# Altium PCB GameBoard_V1I1.PcbDoc (part 10 of 22)
Units mil, origin at the board's own origin, x right, y up, seen from the top; angles counter-clockwise.
Board outline 7165.35 x 2814.96 mil, 12 copper layers (L1, L2, L3, L4, L5 (PWR), L6 (PWR), L7 (PWR), L8 (PWR), L9, L10, L11, L12), stack 61.575 mil thick; 1551 components, 1072 nets, 5467 pads, 3785 vias.
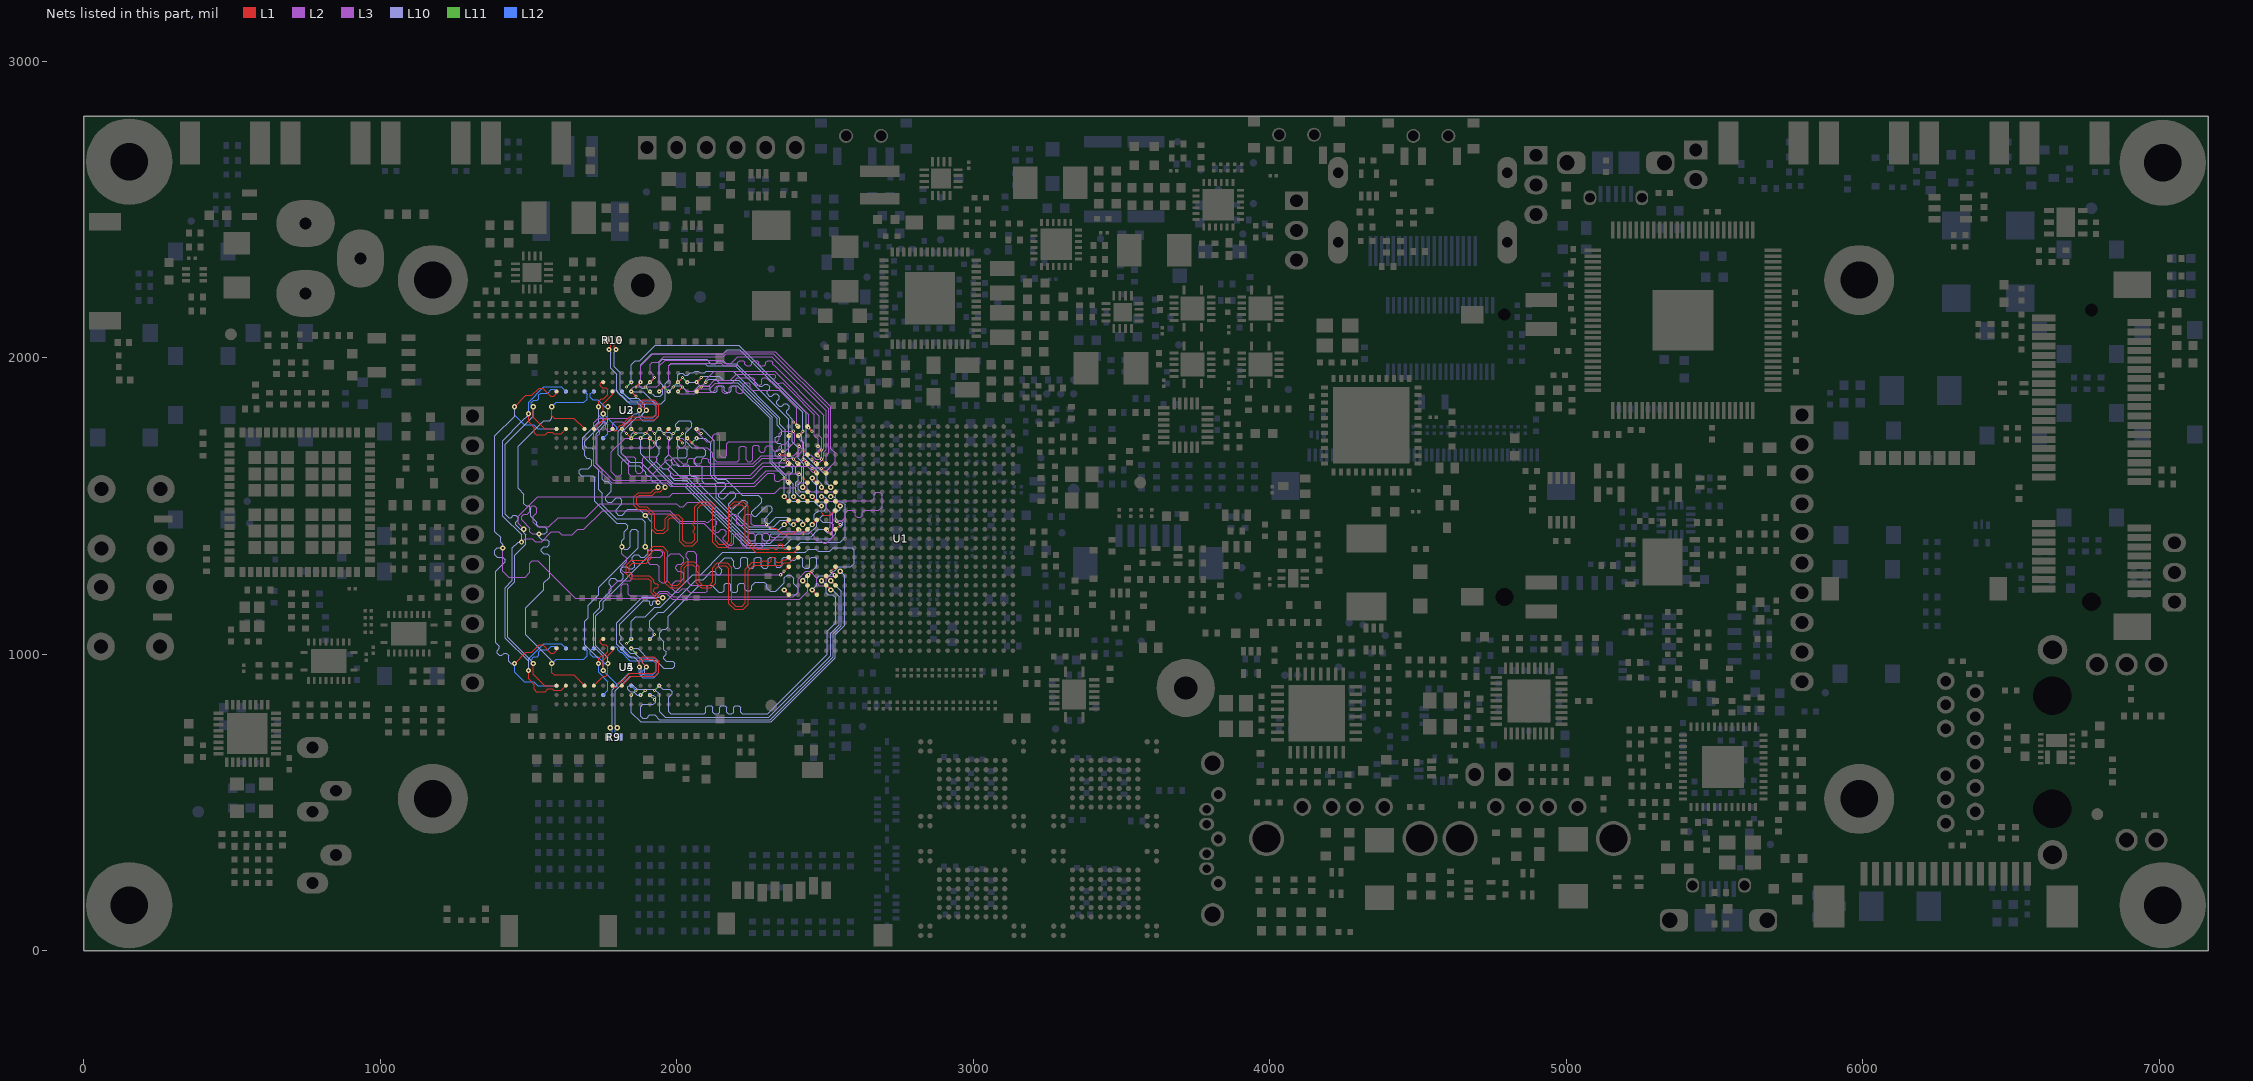
[diagram p20: the nets of this part, all layers, seen from the top]

## Via types
v1: diameter 17.72, hole 7.87, L1 to L12, 1935 vias
v2: diameter 17.72, hole 7.87, L1 to L12, tented both sides, 995 vias
v3: diameter 10.63, hole 3.94, L1 to L2, 334 vias
v4: diameter 11.81, hole 3.94, L2 to L3, 334 vias
v5: diameter 10.63, hole 3.94, L11 to L12, 94 vias
v6: diameter 11.81, hole 3.94, L10 to L11, 93 vias

## Nets (pads, with @x,y where several pads share a name; then routed paths per layer and width w, separated by ;. In a path a pad name is that pad's centre, name@x,y a point inside that pad or via, vN(x,y) a via of type N, cw(c..) or ccw(c..) an arc to the next point about the centre after c; other vN are vias at no path point) (continued)
DRAM_A11: U1.AC12 U2.R7 U3.R7 U4.R7 U5.R7 | length 3112.9
  L1 w3.15: v2@1500.07,944.88 1500.07,917.32 1519.75,897.64 1519.75,880.9 1526.64,874.02 1556.17,874.02 1565.03,882.87 1579.79,882.87 1584.71,877.95 1610.3,877.95 U4.R7@1626.05,893.7 ; v2@1500.07,1811.02 1500.07,1783.46 1519.75,1763.78 1519.75,1747.05 1526.64,1740.16 1556.17,1740.16 1565.03,1749.02 1579.79,1749.02 1584.71,1744.09 1610.3,1744.09 U2.R7@1626.05,1759.84 ; v3(2425.2,1405.51) U1.AC12@2440.94,1421.26
  L3 w3.15: v2(1476.38,1377.95) 1488.19,1389.76 1512.49,1389.76 1523.31,1378.94 1543.88,1378.94 1577.34,1412.4 1602.15,1412.4 1612,1402.56 1647.85,1402.56 1666.55,1421.26 1686.55,1421.26 1749.82,1484.53 1976.1,1484.53 2011.81,1448.82 2094.49,1448.82 2098.66,1444.64 2107.02,1444.64 2117.4,1455.02 2125.75,1455.02 2134.1,1446.67 2134.1,1438.32 2123.72,1427.94 2123.72,1419.59 2132.07,1411.24 2140.42,1411.24 2150.8,1421.62 2159.15,1421.62 2167.51,1413.26 2167.51,1404.91 2157.13,1394.53 2157.13,1386.18 2176.18,1367.13 2186.02,1367.13 2192.91,1374.02 2192.91,1398.23 2200.79,1406.1 2211.34,1406.1 2217.25,1400.2 2217.25,1372.05 2223.15,1366.14 2234.96,1366.14 2240.87,1372.05 2240.87,1401.57 2246.77,1407.48 2258.59,1407.48 2264.49,1401.57 2264.49,1372.7 2270.4,1366.79 2282.21,1366.79 2288.11,1372.7 2288.11,1401.57 2294.02,1407.48 2305.83,1407.48 2319.61,1393.7 2337.6,1393.7 2358.27,1414.37 2409.45,1414.37 v4(2414.37,1419.29)
  L10 w3.15: v2(1476.38,1377.95) 1464.57,1377.95 1445.43,1358.82 1445.43,1248.58 1421.26,1224.41 1421.26,1054.44 1500,975.7 v2(1500,944.88) ; v2@1476.44,1377.95 1476.44,1402.7 1413.39,1465.76 1413.39,1720.47 1477.88,1784.97 1477.95,1784.97 1500.29,1807.31 v2@1500.29,1810.8 ; v2@1500,1810.96 v2@1500.06,1811.02
  L2 w3.15: v4(2414.37,1419.29) 2414.37,1418.31 2413.39,1417.32 v3(2425.2,1405.51)
  L12 w3.15: v2@1500.07,944.88 1500.07,984.25 1551.25,1035.43 1610.3,1035.43 U5.R7@1626.05,1019.68 ; v2@1500.07,1811.02 1500.07,1850.39 1551.25,1901.57 1610.3,1901.57 U3.R7@1626.05,1885.83
  other v2: 1500,1811.02
DRAM_A12: U1.AD12 U2.N7 U3.N7 U4.N7 U5.N7 | length 3081.8
  L1 w3.15: v2(1578.74,968.5) 1578.81,937.99 1586.68,930.12 1652.62,930.12 U4.N7@1689.04,893.7 ; v2(1578.74,1834.65) 1578.81,1804.13 1586.68,1796.26 1652.62,1796.26 U2.N7@1689.04,1759.84 ; v3(2314.96,1425.2) 2334.65,1425.2 2354.33,1405.51 2393.7,1405.51 U1.AD12@2409.45,1421.26
  L3 w3.15: v2(1535.43,1405.51) 1511.81,1405.51 1503.94,1413.39 1503.94,1425.2 1476.38,1452.76 1476.38,1464.57 1484.25,1472.44 1496.06,1472.44 1503.94,1480.31 1503.94,1492.13 1511.81,1500 1519.68,1500 1527.56,1492.13 1527.56,1476.38 1515.75,1464.57 1515.75,1444.88 1531.5,1429.13 1568.8,1429.13 1600.29,1460.63 1692.51,1460.63 1740.03,1508.15 1998.53,1508.15 2009.63,1497.05 2021.86,1497.05 2036.63,1511.81 2103.82,1511.81 2157.48,1458.15 2171.62,1458.15 2185.04,1471.56 2196.85,1471.56 2202.76,1465.66 2202.76,1439.96 2208.66,1434.06 2222.44,1434.06 2228.35,1439.96 2228.35,1465.66 2234.25,1471.56 2246.06,1471.56 2251.97,1465.66 2251.97,1439.96 2257.87,1434.06 2300.2,1434.06 v4(2303.15,1437.01)
  L10 w3.15: v2(1535.43,1405.51) 1535.43,1394.69 1544.29,1385.83 1562.99,1385.83 1569.76,1379.06 1569.76,1368.98 1562.99,1362.2 1551.18,1362.2 1543.31,1354.33 1543.31,1346.46 1551.18,1338.58 1562.99,1338.58 1570.87,1330.71 1570.87,1259.84 1551.18,1240.16 1551.18,1216.54 1490.47,1155.83 1490.47,1066 1578.74,977.73 v2(1578.74,968.5) ; v2(1535.43,1405.51) 1555.18,1405.51 1563.06,1413.39 1563.06,1421.26 1555.18,1429.13 1535.5,1429.13 1527.62,1437.01 1527.62,1444.82 1507.94,1464.5 1507.94,1492.13 1500.07,1500 1492.19,1500 1484.32,1507.87 1484.32,1539.37 1464.57,1559.12 1464.57,1700.79 1551.18,1787.4 1570.87,1787.4 1578.8,1795.34 v2(1578.74,1834.65)
  L2 w3.15: v4(2303.15,1437.01) v3(2314.96,1425.2)
  L12 w3.15: v2(1578.74,968.5) 1593.57,983.27 1687.07,983.27 1697.9,994.09 1697.9,1010.83 U5.N7@1689.04,1019.68 ; v2(1578.74,1834.65) 1593.57,1849.41 1687.07,1849.41 1697.9,1860.24 1697.9,1876.97 U3.N7@1689.04,1885.83
DRAM_A13: U1.AC17 U2.T3 U3.T3 U4.T3 U5.T3 | length 3119.9
  L1 w3.15: v2@1452.82,968.5 1491.21,1006.89 1510.89,1006.89 1535.5,1031.5 1547.31,1031.5 1574.87,1003.94 1584.71,1003.94 1594.55,1013.78 U4.T3@1594.55,1019.68 ; v2@1452.82,1834.65 1491.21,1873.03 1510.89,1873.03 1535.5,1897.64 1547.31,1897.64 1574.87,1870.08 1584.71,1870.08 1594.55,1879.92 U2.T3@1594.55,1885.83 ; U1.AC17@2440.94,1263.78 v3(2456.69,1279.53)
  L3 w3.15: v2(1413.39,1358.27) 1413.39,1279.53 1433.07,1259.84 1488.19,1259.84 1503.94,1275.59 1503.94,1307.09 1511.81,1314.96 1530.82,1314.96 1656.8,1188.98 1930.89,1188.98 1946.64,1204.72 1964.57,1204.72 1984.25,1185.04 2414.58,1185.04 2441.93,1212.39 2441.93,1264.76 v4(2444.88,1267.72)
  L10 w3.15: v2(1413.39,1358.27) 1393.7,1358.27 1385.83,1350.39 1385.83,1334.65 1393.7,1326.77 1413.39,1326.77 1421.26,1318.9 1421.26,1311.02 1413.39,1303.15 1389.76,1279.53 1389.76,1039.37 1401.57,1027.56 1401.57,1019.68 1393.7,1011.81 1393.7,1003.94 1401.57,996.06 1409.45,996.06 1417.32,1003.94 1425.2,1003.94 1433.07,996.06 1433.07,976.44 1441.01,968.5 v2(1452.76,968.5) ; v2@1413.45,1358.27 1413.45,1370.01 1405.51,1377.95 1405.51,1393.7 1385.89,1413.32 1385.89,1736.29 1452.76,1803.15 v2(1452.76,1834.65)
  L2 w3.15: v4(2444.88,1267.72) v3(2456.69,1279.53)
  L12 w3.15: v2@1452.82,968.5 1452.82,939.75 1485.09,907.48 1517.78,907.48 1531.56,893.7 U5.T3@1594.55,893.7 ; v2@1452.82,1834.65 1452.82,1805.89 1485.09,1773.62 1517.78,1773.62 1531.56,1759.84 U3.T3@1594.55,1759.84
DRAM_A14: U1.AA12 U2.T7 U3.T7 U4.T7 U5.T7 | length 2944
  L1 w3.15: v2(1515.75,968.5) 1515.81,933.07 1555.18,893.7 U4.T7@1594.55,893.7 ; v2(1515.75,1834.65) 1515.81,1799.21 1555.18,1759.84 U2.T7@1594.55,1759.84 ; U1.AA12@2503.94,1421.26 v3(2519.69,1405.51)
  L3 w3.15: v2(1484.25,1421.26) 1464.57,1440.94 1464.57,1465.44 1530.9,1531.77 1974.32,1531.77 1985.86,1543.31 2330.87,1543.31 2349.57,1562.01 2397.95,1562.01 2413.69,1577.76 2434.05,1577.76 2440.94,1570.87 2440.94,1557.86 2451.56,1547.24 2527.56,1547.24 2535.43,1539.37 2535.43,1523.62 2527.56,1515.75 2511.81,1515.75 2503.94,1507.87 2503.94,1492.13 2517.72,1478.35 2517.72,1429.13 2507.87,1419.29 v4(2507.87,1417.32)
  L10 w3.15: v2(1515.75,968.5) 1515.75,971.09 1429.13,1057.7 1429.13,1220.47 1453.31,1244.65 1453.31,1333.26 1491.14,1371.09 1491.14,1402.56 1484.25,1409.45 v2(1484.25,1421.26) 1472.44,1421.26 1456.69,1437.01 1456.69,1444.82 1464.63,1452.76 1464.63,1460.63 1456.76,1468.5 1448.89,1468.5 1441.01,1460.63 1433.07,1460.63 1421.33,1472.38 1421.33,1708.73 1515.81,1803.21 v2(1515.75,1834.65)
  L2 w3.15: v4(2507.87,1417.32) v3(2519.69,1405.51)
  L12 w3.15: v2(1515.75,968.5) 1508.92,975.39 1508.92,981.97 1518.09,991.14 1530.27,991.14 1535.34,996.21 1535.34,1008.39 1541.71,1014.76 1564.04,1014.76 1576.84,1027.56 1586.68,1027.56 U5.T7@1594.55,1019.69 ; v2(1515.75,1834.65) 1508.92,1841.54 1508.92,1848.12 1518.09,1857.28 1530.27,1857.28 1535.34,1862.35 1535.34,1874.53 1541.71,1880.91 1564.04,1880.91 1576.84,1893.7 1586.68,1893.7 U3.T7@1594.55,1885.83
DRAM_A15: U1.Y12 U2.M7 U3.M7 U4.M7 U5.M7 | length 2937.1
  L1 w3.15: U4.M7@1720.54,893.7 1752.03,925.2 1759.91,925.2 1767.78,933.07 v2@1767.78,968.5 ; U2.M7@1720.54,1759.84 1752.03,1791.34 1759.91,1791.34 1767.78,1799.21 v2@1767.78,1834.65 ; U1.Y12@2535.43,1421.26 v3(2551.18,1437.01)
  L3 w3.15: v2(1893.7,1468.02) 1899.1,1473.43 1976.07,1473.43 2008.55,1440.94 2090.55,1440.94 2173.23,1358.27 2284.82,1358.27 2285.47,1358.92 2312.38,1385.83 2355.01,1385.83 2375.28,1406.1 2418.03,1406.1 2425.32,1413.39 2448.42,1413.39 2464.57,1397.24 2464.57,1389.76 2471.46,1382.87 2486.25,1382.87 2495.11,1374.02 2504.89,1374.02 2525.59,1394.71 2525.59,1475.85 2536.42,1486.67 2536.42,1506.12 2547.03,1516.73 2658.47,1516.73 2665.35,1523.62 2665.35,1539.37 2672.24,1546.26 2685.65,1546.26 2692.91,1539.81 2692.91,1496.06 2682.09,1485.24 2631.89,1485.24 2625.98,1479.33 2625.98,1467.52 2620.08,1461.61 2608.27,1461.61 2602.36,1467.52 2602.36,1479.33 2596.46,1485.24 2578.53,1485.24 2567.91,1474.62 2567.91,1460.63 2558.07,1450.79 2541.34,1450.79 v4(2539.37,1448.82)
  L10 w3.15: v2(1767.72,968.5) 1767.72,988.12 1727.36,1028.48 1727.36,1129.8 1751.54,1153.98 1751.54,1176.61 1916.2,1341.27 1916.2,1445.52 v2(1893.7,1468.02) ; v2@1767.78,1834.65 1767.78,1783.56 1728.35,1744.13 1728.35,1641.8 1748.1,1622.05 1748.1,1590.55 1755.97,1582.68 1767.78,1582.68 1779.53,1570.93 1779.53,1550.31 1759.91,1530.69 1759.91,1519.68 1767.78,1511.81 1780.4,1511.81 1796.14,1527.56 1807.15,1527.56 1815.03,1519.68 1815.03,1507.07 1795.34,1487.39 1795.34,1476.38 1803.22,1468.5 1815.83,1468.5 1835.51,1488.19 1873.6,1488.19 v2@1893.77,1468.02
  L2 w3.15: v4(2539.37,1448.82) v3(2551.18,1437.01)
  L12 w3.15: U5.M7@1720.54,1019.68 1716.6,1019.68 1708.73,1011.81 1708.73,1000 1716.6,992.13 1733.54,992.13 1757.17,968.5 v2@1767.78,968.5 ; U3.M7@1720.54,1885.83 1716.6,1885.83 1708.73,1877.95 1708.73,1866.14 1716.6,1858.27 1733.54,1858.27 1757.17,1834.65 v2@1767.78,1834.65
  other v2: 1767.72,1834.65
DRAM_CAS_B: U1.AE16 U2.K3 U3.K3 U4.K3 U5.K3 | length 2916.5
  L1 w3.15: v2@1752.03,944.88 1752.03,979.33 1783.53,1010.83 U4.K3@1783.53,1019.68 ; v2@1752.03,1811.02 1752.03,1845.47 1783.53,1876.97 U2.K3@1783.53,1885.83 ; v3(2362.21,1279.53) U1.AE16@2377.95,1295.28
  L3 w3.15: v2(1893.7,1362.2) 1905.51,1350.39 1944.88,1350.39 1952.76,1342.52 1952.76,1334.65 1944.88,1326.77 1909.45,1326.77 1901.57,1318.9 1901.57,1311.02 1909.45,1303.15 1933.07,1303.15 1940.94,1295.28 1940.94,1248.03 1948.82,1240.16 1960.63,1240.16 1968.5,1248.03 1968.5,1326.77 1980.31,1338.58 2007.87,1338.58 2023.62,1322.83 2023.62,1311.02 2015.75,1303.15 2003.94,1303.15 1996.06,1295.28 1996.06,1287.4 2003.94,1279.53 2015.75,1279.53 2023.62,1271.65 2023.62,1255.91 2015.75,1248.03 1996.06,1248.03 1984.25,1236.22 1984.25,1220.47 1996.06,1208.66 2006.81,1208.66 2018.62,1220.47 2031.5,1220.47 2043.31,1208.66 2098.43,1208.66 2102.84,1213.07 2102.84,1227.87 2098.43,1232.28 2047.24,1232.28 2039.37,1240.16 2039.37,1318.9 2031.5,1326.77 2031.5,1338.58 2039.37,1346.46 2056.47,1346.46 2066.93,1336 2066.93,1280.2 2079.42,1267.72 2232.28,1267.72 v4(2350.39,1267.72)
  L10 w3.15: v2(1751.97,944.88) 1751.97,992.74 1719.49,1025.22 1719.49,1136.81 1739.57,1156.89 1739.57,1176.38 1779.63,1216.44 1779.63,1228.25 1771.65,1236.22 1771.65,1248.03 1779.53,1255.91 1791.34,1255.91 1799.21,1248.03 1811.22,1248.03 1819,1255.81 1819,1267.62 1811.02,1275.59 1811.02,1287.4 1818.9,1295.28 1830.71,1295.28 1838.58,1287.4 1850.59,1287.4 1858.37,1295.18 1858.37,1306.99 1850.39,1314.96 1850.39,1326.77 1858.27,1334.65 1870.08,1334.65 1877.95,1326.77 1889.96,1326.77 1889.96,1326.97 1901.58,1338.58 1901.58,1354.33 v2(1893.7,1362.2) ; v2@1752.03,1811.02 1752.03,1780.79 1689.96,1718.71 1689.96,1703.74 1696.85,1696.85 1696.92,1696.85 1712.66,1696.85 1720.47,1689.04 1720.47,1637.8 1736.29,1621.98 1736.29,1555.18 1748.1,1543.37 1748.1,1503.87 1795.28,1456.69 1881.89,1456.69 1893.77,1444.82 v2@1893.77,1362.2
  L2 w3.15: v4(2350.39,1267.72) v3(2362.21,1279.53)
  L12 w3.15: v2@1752.03,944.36 1797.31,899.09 1797.31,891.73 1794.36,888.78 1788.45,888.78 U5.K3@1783.53,893.7 ; v2@1752.03,1810.51 1797.31,1765.23 1797.31,1757.87 1794.36,1754.92 1788.45,1754.92 U3.K3@1783.53,1759.84
  other v2: 1751.97,1811.02
DRAM_CLK0_N: R9.1 U1.AE15 U4.K7 U5.K7 | length 2637.2
  L1 w3.35: U4.K7@1783.53,893.7 1789.44,887.8 1796.33,887.8 1801.18,892.65 1801.18,897.92 1809.76,906.5 1813.76,906.5 1842.21,934.94 1921.23,934.94 1930.12,943.83 1930.12,971.25 1919.08,982.28 1889.9,982.28 1883.92,976.3 1883.92,970.4 v2(1897.64,956.69) v2(1897.64,956.69) ; v2(1937.01,1174.21) 1934.85,1176.37 1934.85,1185.15 1913.29,1206.72 1913.29,1245.23 1903.59,1254.92 1846.28,1254.92 1829.5,1271.69 1829.5,1300.03 1846.5,1317.03 1893.52,1317.03 1904.53,1328.04 1904.53,1346.19 1921.53,1363.19 1952.49,1363.19 1969.49,1346.19 1969.49,1344.16 1969.59,1344.06 1969.59,1332.31 1969.49,1332.21 1969.49,1245.18 1981.4,1233.27 2003.53,1233.27 2014.76,1244.5 2014.76,1295.01 2031.76,1312.01 2058.79,1312.01 2075.84,1294.96 2075.84,1244.18 2086.75,1233.27 2110.5,1233.27 2121.06,1243.83 2121.06,1291.75 2137.39,1308.07 2169.7,1308.07 2186.02,1291.75 2186.02,1174.87 2198.9,1162 2220.11,1162 2231.35,1173.24 2231.35,1286.19 2255.2,1310.04 2285.98,1310.04 2291.79,1315.85 2301.63,1315.85 2307.44,1310.04 2313.98,1310.04 2317.91,1313.98 2317.91,1323.82 2321.85,1327.76 2329.72,1327.76 2333.66,1323.82 2333.66,1313.98 2337.6,1310.04 2349.85,1310.04 2358.7,1318.9 2370.11,1318.9 U1.AE15@2377.95,1326.77
  L10 w3.35: v2(1799.21,751.97) 1799.21,754.81 1793.21,760.82 1793.21,875.82 1842.39,925 1878.37,925 1891.34,937.96 1891.34,950.39 v2(1897.64,956.69) 1885.04,969.29 1885.04,977.01 1858.9,1003.15 1843.15,1003.15 1808.27,1038.03 1808.27,1045.47 1812.99,1050.2 1812.99,1059.06 1808.27,1063.78 1808.27,1101.31 1887.47,1180.51 1905.51,1180.51 1908.46,1177.56 1908.46,1168.31 1911.42,1165.35 1916.34,1165.35 1919.29,1168.31 1919.29,1177.56 1922.24,1180.51 1927.86,1180.51 1934.16,1174.21 v2(1937.01,1174.21)
  L12 w3.35: U5.K7@1783.53,1019.68 1789.44,1025.59 1796.33,1025.59 1801.18,1020.73 1801.18,1015.46 1809.76,1006.89 1813.76,1006.89 1842.21,978.44 1921.23,978.44 1930.12,969.56 1930.12,942.14 1919.08,931.1 1889.9,931.1 1883.92,937.08 1883.92,942.98 v2(1897.64,956.69) v2(1897.64,956.69) ; v2(1799.21,751.97) 1799.21,751.65 1792.48,744.92 1792.48,735.08 R9.1@1807.09,720.47
DRAM_CLK0_P: R9.2 U1.AD15 U4.J7 U5.J7 | length 2636.8
  L1 w3.35: U4.J7@1815.03,893.7 1815.03,893.84 1846.28,925.1 1925.58,925.1 1939.96,939.47 1939.96,975.32 1923.16,992.13 1885.83,992.13 1873.88,980.18 1873.88,956.89 v2@1874.08,956.69 ; v2(1952.76,1189.96) 1950.6,1192.11 1941.81,1192.11 1923.13,1210.8 1923.13,1219.49 1927.07,1223.43 1933.96,1223.43 1937.89,1227.36 1937.89,1234.25 1933.96,1238.19 1927.07,1238.19 1923.13,1242.13 1923.13,1249.3 1907.57,1264.86 1893.88,1264.86 1893.78,1264.76 1850.35,1264.76 1839.35,1275.77 1839.35,1295.95 1850.58,1307.18 1897.6,1307.18 1914.37,1323.96 1914.37,1342.11 1925.6,1353.35 1948.41,1353.35 1959.65,1342.11 1959.65,1241.1 1977.32,1223.43 2007.61,1223.43 2024.61,1240.43 2024.61,1290.93 2035.84,1302.17 2054.71,1302.17 2065.99,1290.88 2065.99,1240.1 2082.67,1223.43 2114.58,1223.43 2130.91,1239.75 2130.91,1287.67 2141.46,1298.23 2165.62,1298.23 2176.18,1287.67 2176.18,1170.8 2194.82,1152.16 2224.19,1152.16 2241.19,1169.16 2241.19,1282.11 2259.28,1300.2 2354.2,1300.2 2362.86,1308.86 2381.15,1308.86 2396.72,1324.44 2407.11,1324.44 U1.AD15@2409.45,1326.77
  L10 w3.35: v2(1775.59,751.97) 1775.59,754.81 1782.18,761.41 1782.18,880.38 1837.83,936.02 1873.81,936.02 1880.31,942.53 1880.31,950.39 v2(1874.01,956.69) 1874.01,972.44 1854.33,992.13 1838.58,992.13 1797.24,1033.46 1797.24,1105.88 1882.9,1191.54 1951.18,1191.54 v2(1952.76,1189.96)
  L12 w3.35: R9.2@1767.72,720.47 1781.66,734.41 1781.66,745.9 v2(1775.59,751.97) ; U5.J7@1815.03,1019.68 1815.03,1019.55 1846.28,988.29 1925.58,988.29 1939.96,973.91 1939.96,938.06 1923.16,921.26 1885.83,921.26 1873.88,933.2 1873.88,956.5 v2@1874.08,956.69
DRAM_CLK1_N: R10.1 U1.AE14 U2.K7 U3.K7 | length 2636.1
  L1 w3.35: U2.K7@1783.53,1759.84 1789.44,1753.94 1796.33,1753.94 1801.18,1758.79 1801.18,1764.06 1809.76,1772.64 1813.76,1772.64 1842.21,1801.08 1921.23,1801.08 1930.12,1809.97 1930.12,1837.39 1919.08,1848.43 1889.9,1848.43 1883.92,1842.45 1883.92,1836.55 v2(1897.64,1822.83) v2(1897.64,1822.83) ; v2(1795.28,2027.56) 1795.28,2027.88 1788.55,2034.61 1788.55,2044.45 R10.1@1803.15,2059.06 ; v2(1960.63,1562.99) 1944.88,1547.24 1928.86,1547.24 1917.04,1535.43 1873.79,1535.43 1865.16,1526.8 1865.16,1505.91 1873.03,1498.03 1899.61,1498.03 1925.2,1472.44 1925.2,1425.2 1933.07,1417.32 1952.76,1417.32 1961.61,1426.18 1961.61,1457.4 1974.69,1470.47 2004.36,1470.47 2019.69,1455.14 2019.69,1384.98 2029.67,1375 2050.06,1375 2061.36,1386.31 2061.36,1404.19 2055.12,1410.43 2055.12,1415.66 2061.27,1421.81 2061.27,1428.89 2055.12,1435.04 2055.12,1440.94 2061.36,1447.19 2061.36,1496.58 2078.56,1513.78 2114.17,1513.78 2130.81,1497.15 2130.81,1381.99 2141.73,1371.06 2165.35,1371.06 2176.18,1381.89 2176.18,1496.47 2193.76,1514.05 2223.57,1514.05 2241.14,1496.47 2241.14,1383.01 2269.82,1354.33 2310.04,1354.33 2315.94,1360.24 2323.82,1360.24 2329.72,1354.33 2338.58,1354.33 2342.52,1358.27 2342.52,1368.11 2346.46,1372.05 2354.33,1372.05 2358.27,1368.11 2358.27,1358.27 2362.2,1354.33 2374.02,1354.33 U1.AE14@2377.95,1358.27
  L10 w3.35: v2(1795.28,2027.56) 1795.28,2024.71 1788.98,2018.41 1788.98,1969.16 1808.66,1949.47 1808.66,1890.98 1836.85,1862.8 1870.06,1862.8 1891.34,1841.52 1891.34,1829.13 v2(1897.64,1822.83) 1874.41,1799.6 1865.76,1799.6 1812.98,1746.83 1812.98,1678 1843.74,1647.24 1877.93,1647.24 1960.63,1564.54 v2(1960.63,1562.99)
  L12 w3.35: U3.K7@1783.53,1885.83 1789.44,1891.73 1796.33,1891.73 1801.18,1886.88 1801.18,1881.61 1809.76,1873.03 1813.76,1873.03 1842.21,1844.59 1921.23,1844.59 1930.12,1835.7 1930.12,1808.28 1919.08,1797.24 1889.9,1797.24 1883.92,1803.22 1883.92,1809.12 v2(1897.64,1822.83) v2(1897.64,1822.83)
DRAM_CLK1_P: R10.2 U1.AD14 U2.J7 U3.J7 | length 2635.8
  L1 w3.35: R10.2@1763.78,2059.06 1777.72,2045.12 1777.72,2033.62 v2(1771.65,2027.56) ; U2.J7@1815.03,1759.84 1815.03,1759.98 1846.28,1791.24 1925.58,1791.24 1939.96,1805.62 1939.96,1841.47 1923.16,1858.27 1885.83,1858.27 1873.88,1846.33 1873.88,1823.03 v2@1874.08,1822.83 ; v2(1937.01,1562.99) 1931.1,1557.09 1924.78,1557.09 1912.97,1545.28 1869.72,1545.28 1855.31,1530.87 1855.31,1501.83 1868.95,1488.19 1895.53,1488.19 1915.35,1468.36 1915.35,1421.12 1928.99,1407.48 1956.83,1407.48 1971.46,1422.1 1971.46,1453.32 1978.76,1460.63 2000.28,1460.63 2009.84,1451.07 2009.84,1380.91 2025.69,1365.06 2054.04,1365.06 2071.21,1382.23 2071.21,1492.51 2082.64,1503.94 2110.1,1503.94 2120.96,1493.07 2120.96,1377.91 2137.66,1361.22 2169.43,1361.22 2169.56,1361.35 2169.74,1361.35 2186.02,1377.63 2186.02,1492.39 2197.83,1504.2 2219.49,1504.2 2231.3,1492.39 2231.3,1378.94 2265.75,1344.49 2396.65,1344.49 2409.45,1357.28 U1.AD14@2409.45,1358.27
  L10 w3.35: v2(1771.65,2027.56) 1771.65,2024.71 1777.95,2018.41 1777.95,1964.59 1797.64,1944.91 1797.64,1886.42 1832.28,1851.77 1865.49,1851.77 1880.31,1836.95 1880.31,1829.13 v2(1874.01,1822.83) 1874.01,1818.89 1865.76,1810.63 1855.9,1810.63 1848.43,1803.15 1848.43,1797.86 1801.96,1751.39 1801.96,1673.44 1839.17,1636.22 1873.36,1636.22 1895.67,1613.91 1895.67,1606.3 1901.57,1600.39 1909.19,1600.39 1913.39,1596.2 1913.39,1586.61 1918.57,1581.43 1928.15,1581.43 1935.33,1574.25 1935.33,1564.67 v2(1937.01,1562.99)
  L12 w3.35: U3.J7@1815.03,1885.83 1815.03,1885.69 1846.28,1854.43 1925.58,1854.43 1939.96,1840.05 1939.96,1804.2 1923.16,1787.4 1885.83,1787.4 1873.88,1799.34 1873.88,1822.64 v2@1874.08,1822.84
DRAM_CS0_B: U1.Y16 U2.L2 U3.L2 U4.L2 U5.L2 | length 3073.1
  L1 w3.15: v2(1736.22,968.5) 1736.29,986.22 1745.3,995.23 1754.16,995.23 1767.78,1008.86 1767.78,1025.59 1760.89,1032.48 1748.1,1032.48 1741.21,1039.37 1741.21,1046.26 1746.13,1051.18 U4.L2@1752.03,1051.18 ; v2(1736.22,1834.65) 1736.29,1852.36 1745.3,1861.37 1754.16,1861.37 1767.78,1875 1767.78,1891.73 1760.89,1898.62 1748.1,1898.62 1741.21,1905.51 1741.21,1912.4 1746.13,1917.32 U2.L2@1752.03,1917.32 ; v3(2519.69,1279.53) U1.Y16@2535.43,1295.28
  L3 w3.15: v2(1814.96,1362.2) 1814.96,1338.58 1830.71,1322.83 1830.71,1311.02 1814.96,1295.28 1814.96,1283.46 1822.83,1275.59 1842.52,1275.59 1850.33,1267.78 1850.33,1255.84 1842.52,1248.03 1803.15,1248.03 1771.65,1216.54 1771.65,1204.72 1779.53,1196.85 1807.09,1196.85 1812.99,1202.76 1812.99,1230.86 1818.9,1236.76 1830.71,1236.76 1836.61,1230.86 1836.61,1202.76 1842.52,1196.85 1927.63,1196.85 1943.38,1212.6 1967.83,1212.6 1987.51,1192.91 2393.7,1192.91 2409.45,1208.66 2409.45,1253.16 2435.81,1279.53 2449.77,1279.53 2472.44,1256.86 2472.44,1240.16 2481.3,1231.3 2495.08,1231.3 2503.94,1240.16 2503.94,1253.16 2513.57,1262.8 2526.57,1262.8 v4(2531.5,1267.72)
  L10 w3.15: v2(1736.22,968.5) 1736.22,984.25 1688.98,1031.5 1688.98,1110.24 1700.79,1122.05 1700.79,1165.35 1736.22,1200.79 1736.22,1225.47 1870.08,1359.33 1870.08,1413.39 1862.21,1421.26 1850.39,1421.26 1842.52,1413.39 1842.52,1362.2 1834.65,1354.33 1822.84,1354.33 v2(1814.96,1362.2) ; v2(1736.22,1834.65) 1736.29,1783.53 1682.09,1729.33 1682.09,1693.12 1689.04,1686.17 1689.04,1669.29 1696.92,1661.42 1704.79,1661.42 1712.6,1653.61 1712.6,1637.73 1700.85,1625.98 1677.17,1625.98 1671.26,1620.08 1671.26,1608.27 1677.17,1602.36 1716.6,1602.36 1723.52,1595.44 1723.52,1515.36 1797.94,1440.94 1826.84,1440.94 1833.88,1433.9 1833.88,1424.36 1822.9,1413.39 1822.9,1390.96 1815.03,1383.08 v2@1815.03,1362.2